# Altium PCB PCB_CONTROL.PcbDoc (part 2 of 2) (continued)
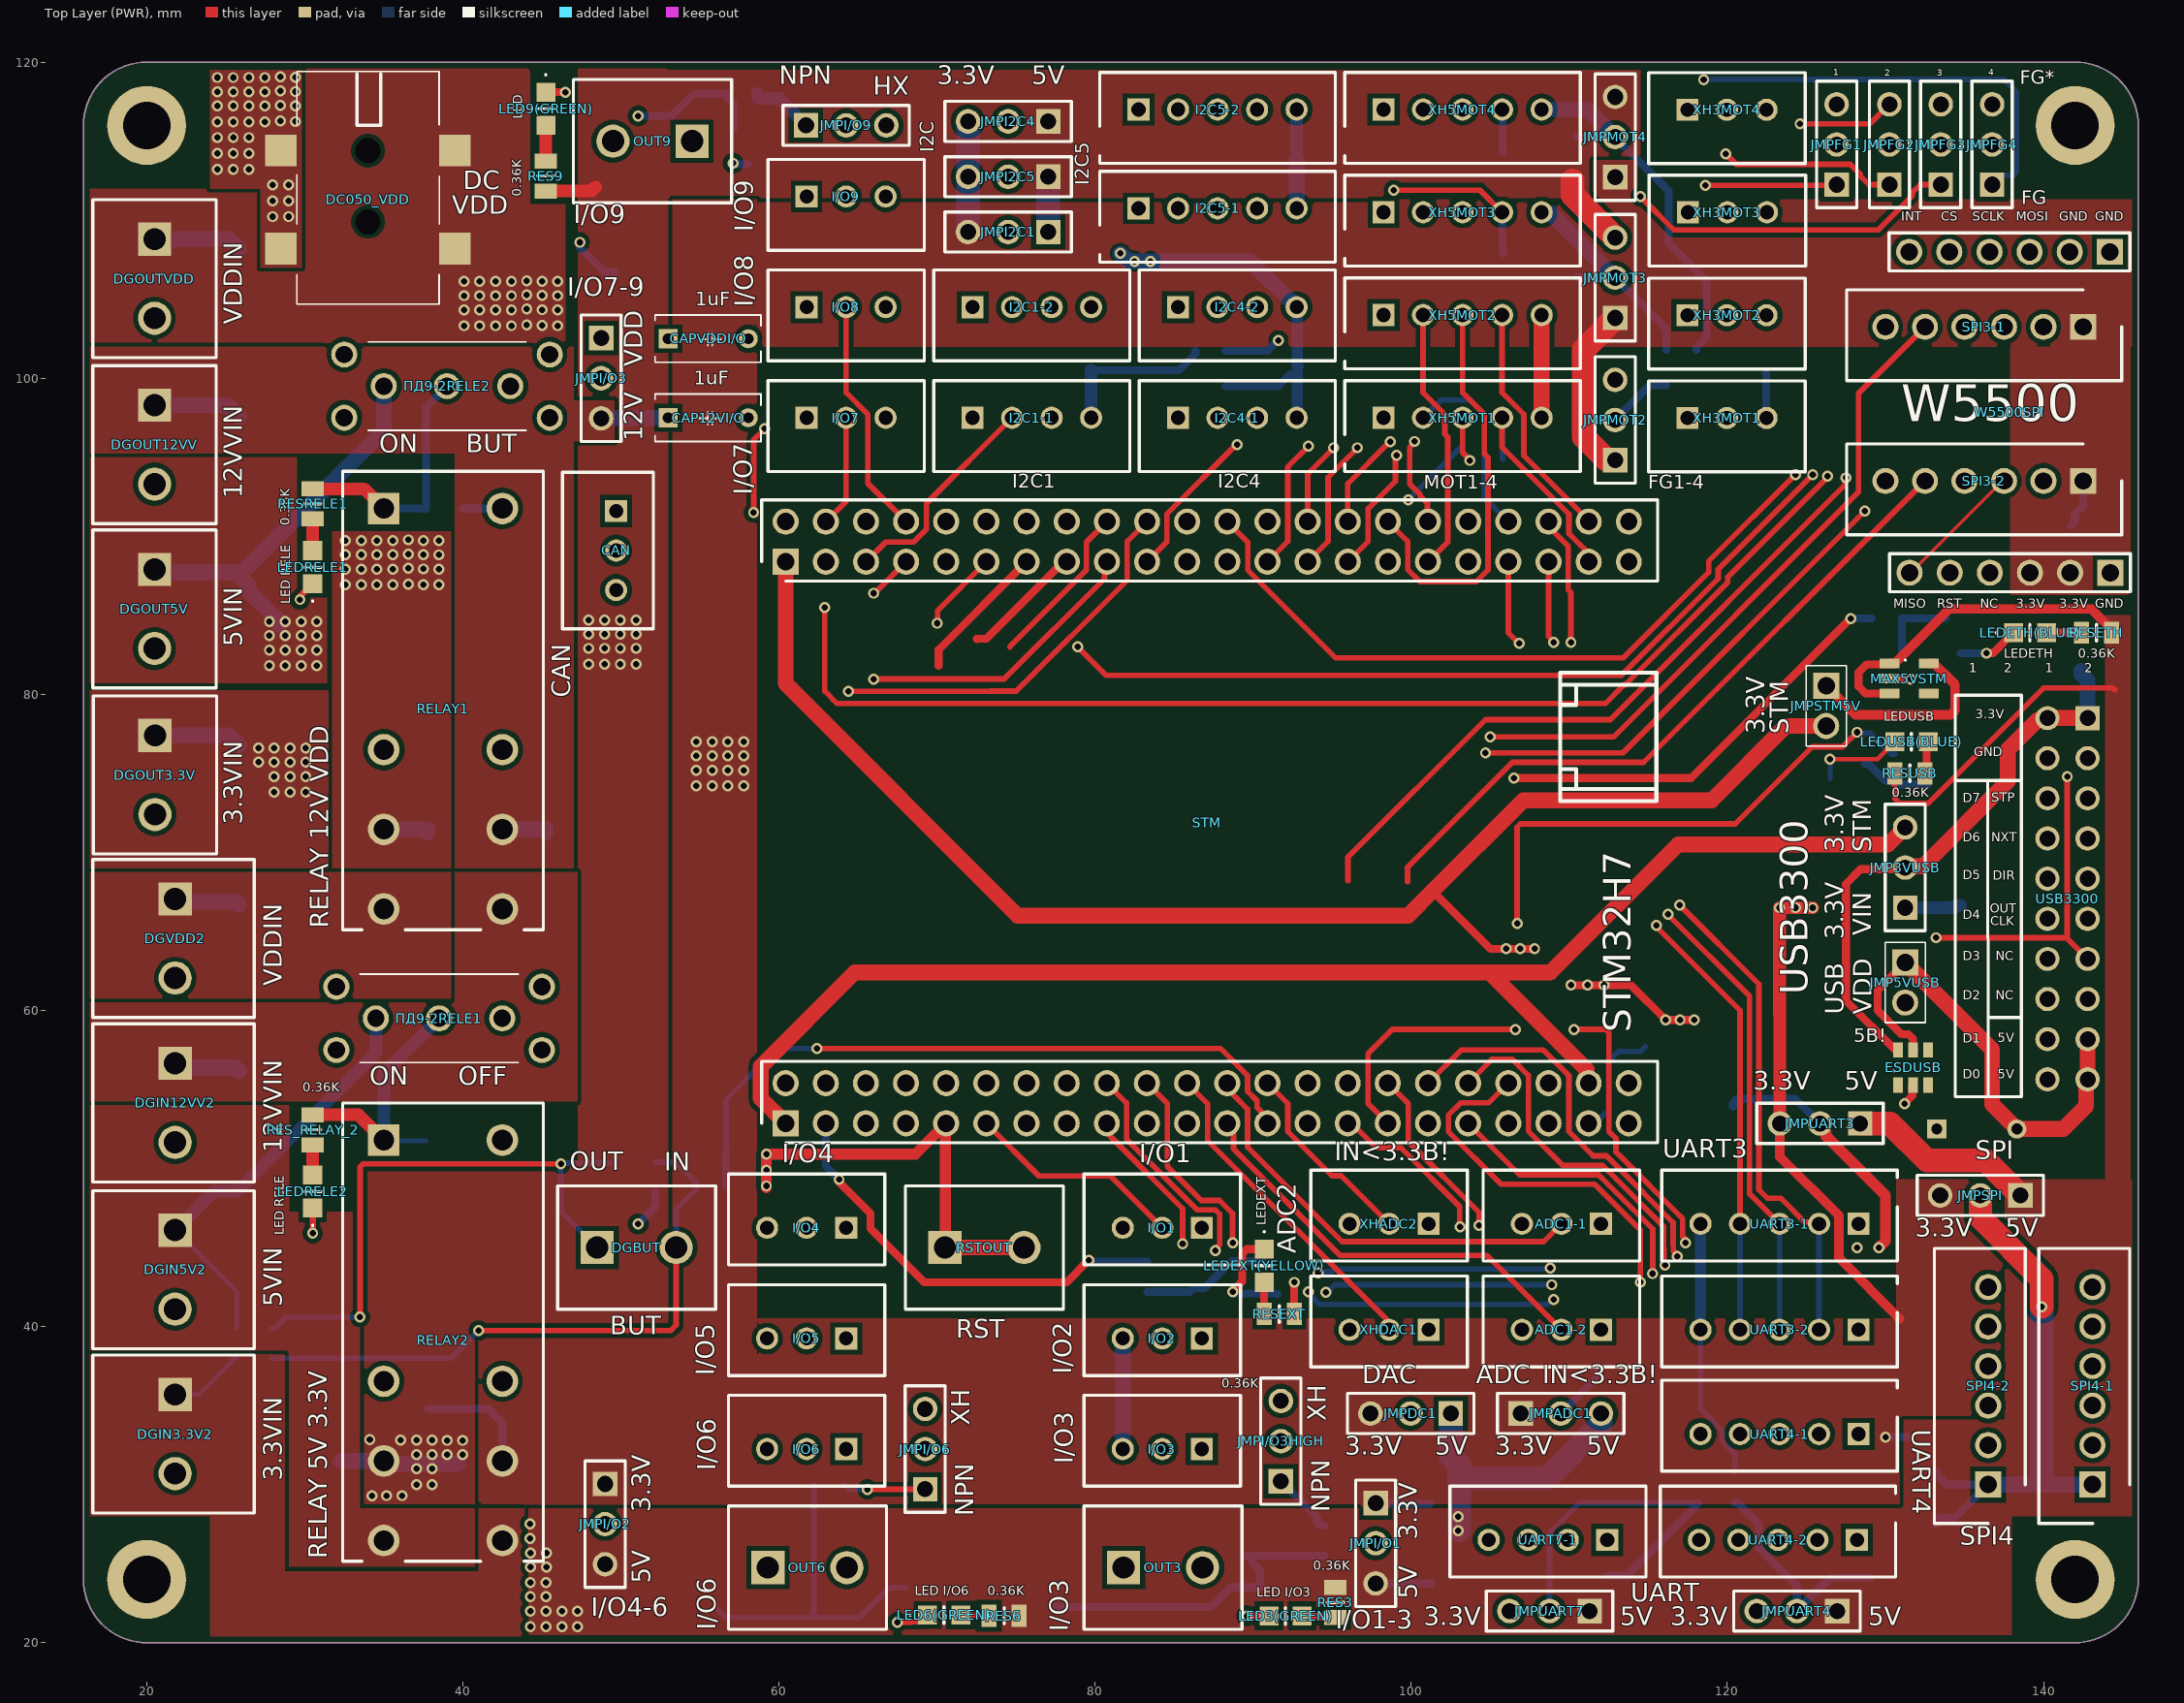
[diagram p0: Top Layer (PWR) view]
## Nets (pads, with @x,y where several pads share a name; then routed paths per layer and width w, separated by ;. In a path a pad name is that pad's centre, name@x,y a point inside that pad or via, vN(x,y) a via of type N, cw(c..) or ccw(c..) an arc to the next point about the centre after c; other vN are vias at no path point) (continued)
PA8: RESPWM3.2 STM.A8 XH5MOT3.4 | length 36.6
  Top Layer (PWR) w0.35: STM.A8@93.445,88.39 94.735,89.68 94.735,93.735 v1(96.6,95.6) ; v1(98.9,111.9) 104.35,111.9 XH5MOT3.4@105.75,110.5
  Layer 2 (SIGN) w0.35: v1(96.6,95.6) 96.6,110.851 97.649,111.9 v1(98.9,111.9)
  Bottom Layer (GND) w0.5: XH5MOT3.4@105.75,110.5 105.775,110.475 105.775,107.925 RESPWM3.2@105.8,107.9
PB2: JMPFG4.2 STM.B2 | length 81.9
  Top Layer (PWR) w0.35: 96,68.2 96,69.7 104.7,78.4 112.6,78.4 127.433,93.233 127.433,93.633 v1(127.5,93.7)
  Layer 2 (SIGN) w0.35: STM.B2@95.98,55.4 95.99,55.41 95.99,68.19 96,68.2 ; v1(127.5,93.7) 127.55,93.75 127.55,105.818 130.982,109.25 132.651,109.25 134.7,111.299 134.7,112.74 JMPFG4.2@136.75,114.79
PB3: SPI3-1.4 SPI3-2.4 STM.B3 W5500SPI.SCLK | length 106.2
  Layer 2 (SIGN) w0.2: STM.B3@73.125,90.93 73.33,90.93 74.917,92.517 76.383,92.517 76.95,91.95 76.95,87.35 77.6,86.7 104.853,86.7 104.97,86.817 104.97,91.417 107.203,93.65 120.75,93.65 125.5,88.9 129.517,88.9 131.753,91.136 134,91.136 135,92.136 SPI3-2.4@135,93.5 135,95.3 135,95.4 134.492,95.4 134.492,95.854 135.508,95.854 135.508,96.308 134.492,96.308 134.492,96.762 135.508,96.762 135.508,97.216 134.492,97.216 134.492,97.67 135.508,97.67 135.508,98.124 134.492,98.124 134.492,98.578 135.508,98.578 135.508,99.032 134.492,99.032 134.492,99.486 135.508,99.486 135.508,99.94 134.492,99.94 134.492,100.394 135.508,100.394 135.508,100.848 134.492,100.848 134.492,101.302 135,101.302 135,101.6 SPI3-1.4@135,103.25 136.58,104.83 W5500SPI.SCLK@136.58,108
PB4: SPI3-1.3 SPI3-2.3 STM.B4 W5500SPI.MISO | length 111.2
  Top Layer (PWR) w0.2: W5500SPI.MISO@131.525,87.7 131.612,87.7 137.412,93.5 SPI3-2.3@137.5,93.5
  Layer 2 (SIGN) w0.2: STM.B4@70.585,88.39 73.175,85.8 109.6,85.8 109.9,86.1 109.9,92.5 110.15,92.75 119.05,92.75 119.985,91.815 120.056,91.744 120.415,92.103 120.736,91.782 120.018,91.064 120.339,90.743 121.057,91.461 121.378,91.14 120.66,90.422 120.981,90.101 121.699,90.819 122.02,90.498 121.302,89.78 121.623,89.459 122.341,90.177 122.662,89.856 121.944,89.138 122.265,88.817 122.983,89.535 123.305,89.214 122.609,88.519 122.93,88.198 123.266,88.534 123.829,87.971 123.9,87.9 124.5,87.3 124.6,87.3 124.6,87.808 125.054,87.808 125.054,86.792 125.508,86.792 125.508,87.783 125.962,87.783 125.962,86.792 126.416,86.792 126.416,87.783 126.87,87.783 126.87,86.792 127.324,86.792 127.324,87.783 127.778,87.783 127.778,86.792 128.232,86.792 128.232,87.783 128.686,87.783 128.686,86.792 129.14,86.792 129.14,87.783 129.594,87.783 129.594,86.792 130.048,86.792 130.048,87.3 130.3,87.3 130.733,87.3 131.133,87.7 W5500SPI.MISO@131.525,87.7 ; SPI3-2.3@137.5,93.5 SPI3-1.3@137.5,103.25
PB8: I2C1-2.2 I2С1-1.2 STM.B8 | length 21
  Top Layer (PWR) w0.35: STM.B8@65.505,88.39 66.755,89.64 68.523,89.64 69.335,90.452 69.335,92.085 I2С1-1.2@74.75,97.5
  Layer 2 (SIGN) w0.35: I2С1-1.2@74.75,97.5 I2C1-2.2@74.75,104.5
PB9: I2C1-2.3 I2С1-1.3 STM.B9 | length 21.5
  Layer 2 (SIGN) w0.35: STM.B9@65.505,90.93 68.814,94.239 73.989,94.239 I2С1-1.3@77.25,97.5 I2C1-2.3@77.25,104.5
PB14: RESPWM2.2 STM.B14 XH5MOT1.4 | length 14
  Top Layer (PWR) w0.35: XH5MOT1.4@105.75,97.5 105.75,95.633 109.975,91.408 109.975,90.174 110.742,89.407 110.976,89.172 110.976,88.639 STM.B14@111.225,88.39
  Bottom Layer (GND) w0.35: XH5MOT1.4@105.75,97.5 105.775,97.475 105.775,94.925 RESPWM2.2@105.8,94.9
PC0: STM.C0 USB3300.STP | length 108
  Layer 2 (SIGN) w0.2: STM.C0@73.12,55.4 74.4,54.12 74.4,51.2 78.05,47.55 129.145,47.55 131.395,45.3 144.2,45.3 145.5,46.6 145.5,72.8 144.88,73.42 USB3300.STP@142.79,73.42
PC5: BUTIN1.1 BUTIN2.1 STM.C5 | length 44
  Top Layer (PWR) w0.35: v1(62.4,57.6) 87.928,57.6 89.65,55.878 89.65,54.882 90.25,54.282 90.25,53.862 90.9,53.212 STM.C5@90.9,52.86
  Bottom Layer (GND) w0.35: BUTIN2.1@56.65,51.087 56.65,54.35 59.887,57.587 62.387,57.587 v1(62.4,57.6)
  Bottom Layer (GND) w0.5: BUTIN1.1@56.65,48.9 BUTIN2.1@56.65,51.087
PC10: I2C5-1.3 I2C5-2.3 STM.C10 | length 29.8
  Layer 2 (SIGN) w0.35: STM.C10@85.825,88.39 87.075,89.64 87.075,96.584 86.625,97.034 86.625,104.966 87.75,106.091 I2C5-1.3@87.75,110.75 I2C5-2.3@87.75,117
PC11: I2C5-1.2 I2C5-2.2 STM.C11 | length 27.2
  Layer 2 (SIGN) w0.35: I2C5-2.2@85.25,117 I2C5-1.2@85.25,110.75 85.25,106.501 84.125,105.376 84.125,92.63 STM.C11@85.825,90.93
PC12: I2C5-1.4 I2C5-2.4 STM.C12 | length 31.5
  Top Layer (PWR) w0.35: STM.C12@83.285,88.39 84.535,89.64 84.535,91.408 88.927,95.8 v1(89,95.8)
  Layer 2 (SIGN) w0.35: v1(89,95.8) 89,104.841 90.25,106.091 I2C5-1.4@90.25,110.75 I2C5-2.4@90.25,117
PD0: CAN.1 STM.D0 | length 48
  Top Layer (PWR) w0.35: v1(64.4,80.194) 64.401,80.193 73.396,80.193 73.405,80.201 75.001,80.201 82.035,87.235 82.035,89.68 STM.D0@83.285,90.93
  Layer 2 (SIGN) w0.35: CAN.1@49.7,91.6 48.575,90.475 48.575,88.634 49.234,87.975 50.475,87.975 51,88.5 55.2,88.5 63.506,80.194 v1(64.4,80.194)
PD1: CAN.2 STM.D1 | length 38
  Top Layer (PWR) w0.35: v1(66,80.968) 74.242,80.968 80.6,87.326 80.6,88.245 STM.D1@80.745,88.39
  Layer 2 (SIGN) w0.35: CAN.2@49.7,89.1 55.6,89.1 63.731,80.969 65.999,80.969 v1(66,80.968)
PD4: STM.D4 W5500SPI.INT | length 109
  Top Layer (PWR) w0.35: v1(104.7,76.3) 113.4,76.3 v1@128.676,91.576
  Layer 2 (SIGN) w0.2: v1(128.7,91.6) 129.762,91.6 131.223,93.061 131.223,107.723 W5500SPI.INT@131.5,108
  Layer 2 (SIGN) w0.35: STM.D4@78.205,90.93 78.205,92.595 77.4,93.4 71.287,93.4 69.335,91.448 69.335,90.452 68.563,89.68 67.567,89.68 66.795,88.908 66.795,86.305 76.8,76.3 v1(104.7,76.3)
PD5: MAXBUT.3 STM.D5 | length 54.5
  Top Layer (PWR) w0.5: 70.1,81.8 70.1,82.825 STM.D5@75.665,88.39
  Layer 2 (SIGN) w0.5: v1(51.1,46.5) 57.75,53.15 57.75,69.45 70.1,81.8
  Bottom Layer (GND) w0.5: v1(51.1,46.5) 52.175,47.575 MAXBUT.3@52.175,48.5
PD6: SPI3-1.2 SPI3-2.2 STM.D6 W5500SPI.MOSI | length 107.7
  Layer 2 (SIGN) w0.2: STM.D6@75.665,90.93 74.4,89.665 74.4,87 75.15,86.25 107.2,86.25 107.4,86.45 107.4,92 108.6,93.2 120.4,93.2 125.2,88.4 129.85,88.4 132.136,90.686 137.186,90.686 SPI3-2.2@140,93.5 140,95.8 140,95.9 139.492,95.9 139.492,96.354 140.508,96.354 140.508,96.808 139.492,96.808 139.492,97.262 140.508,97.262 140.508,97.716 139.492,97.716 139.492,98.17 140.508,98.17 140.508,98.624 139.492,98.624 139.492,99.078 140.508,99.078 140.508,99.532 139.492,99.532 139.492,99.986 140.508,99.986 140.508,100.44 139.492,100.44 139.492,100.894 140.508,100.894 140.508,101.348 140,101.348 140,101.6 SPI3-1.2@140,103.25 139.12,104.13 W5500SPI.MOSI@139.12,108
PD7: SPI3-1.5 STM.D7 W5500SPI.CS | length 90.5
  Top Layer (PWR) w0.35: v1(70,84.5) 70.035,84.535 70.035,85.3 STM.D7@73.125,88.39 ; v1(105,77.3) 112.8,77.3 128.3,92.8 128.3,99.05 SPI3-1.5@132.5,103.25
  Layer 2 (SIGN) w0.2: SPI3-1.5@132.5,103.25 134.04,104.79 W5500SPI.CS@134.04,108
  Layer 2 (SIGN) w0.35: v1(70,84.5) 77.2,77.3 v1(105,77.3)
PD12: I2C4-1.2 I2C4-2.2 STM.D12 | length 29.5
  Layer 2 (SIGN) w0.35: I2C4-2.2@87.75,104.5 I2C4-1.2@87.75,97.5 87.75,95.66 89.957,93.453 101.547,93.453 102.315,92.685 102.315,89.68 STM.D12@103.605,88.39
PD13: I2C4-1.3 I2C4-2.3 STM.D13 | length 24.1
  Layer 2 (SIGN) w0.35: I2C4-2.3@90.25,104.5 I2C4-1.3@90.25,97.5 93.404,94.346 101.954,94.346 103.605,92.695 STM.D13@103.605,90.93
PE0: JMPFG3.2 STM.E0 | length 103
  Top Layer (PWR) w0.35: v1(62.9,85.5) 62.9,80.2 63.681,79.419 112.273,79.419 113.454,80.6 113.538,80.6 120.017,87.078 120.017,87.42 126.346,93.75 v1(126.346,93.81)
  Layer 2 (SIGN) w0.35: v1(62.9,85.5) 62.933,85.533 62.933,88.357 STM.E0@62.965,88.39 ; v1(126.346,93.81) 126.346,93.839 126.95,94.443 126.95,108.24 129.76,111.05 131.201,111.05 131.45,111.299 131.45,112.74 JMPFG3.2@133.5,114.79
PE10: SPI4-2.5 STM.E10 | length 46.7
  Top Layer (PWR) w0.35: STM.E10@101.06,55.4 103.16,57.5 108.348,57.5 109.97,55.878 109.97,52.342 111.509,50.803 112.349,50.803 112.524,50.627 112.7,50.451 112.876,50.276 116.575,46.576 116.575,45.197 116.583,45.189 116.583,44.778 116.84,44.521 v1(116.84,44.427)
  Layer 2 (SIGN) w0.35: v1(116.84,44.427) 117.867,43.4 133.1,43.4 SPI4-2.5@136.5,40
PE11: SPI3-2.5 STM.E11 | length 59.6
  Top Layer (PWR) w0.35: 99.767,68.133 99.767,69.063 106.404,75.7 114.7,75.7 SPI3-2.5@132.5,93.5
  Layer 2 (SIGN) w0.35: 99.767,68.133 99.767,67.886 99.77,67.883 99.77,54.15 STM.E11@101.06,52.86
PE12: SPI4-1.4 SPI4-2.4 STM.E12 | length 51.6
  Top Layer (PWR) w0.35: STM.E12@103.6,55.4 105.1,56.9 106.408,56.9 107.41,55.898 107.41,52.362 109.569,50.203 112.1,50.203 112.276,50.027 112.451,49.851 115.975,46.328 115.975,44.949 115.983,44.941 115.983,43.966 v1(116.05,43.899)
  Layer 2 (SIGN) w0.35: v1(116.05,43.899) 116.05,43.85 117.1,42.8 131.2,42.8 SPI4-2.4@136.5,37.5 SPI4-1.4@143.1,37.5
PE14: SPI4-1.2 SPI4-2.2 STM.E14 | length 57.2
  Top Layer (PWR) w0.35: STM.E14@106.14,55.4 104.89,54.15 103.122,54.15 102.35,53.378 102.35,52.342 105.689,49.003 111.603,49.003 114.5,46.106 v1(114.5,42.8)
  Layer 2 (SIGN) w0.35: v1(114.5,42.8) 115.7,41.6 128.501,41.6 129.425,40.676 129.425,39.575 SPI4-2.2@136.5,32.5 SPI4-1.2@143.1,32.5
PE15: RESG1.1 STM.E15 | length 47.3
  Top Layer (PWR) w0.35: v1(106.7,65.5) 106.7,71.595 106.905,71.8 120.5,71.8 125.375,76.675 127.275,76.675 v1(128.2,77.6)
  Layer 2 (SIGN) w0.35: STM.E15@106.14,52.86 104.89,54.11 104.89,64.19 106.181,65.481 106.681,65.481 v1(106.7,65.5)
  Bottom Layer (GND) w0.35: v1(128.2,77.6) 128.267,77.533 129.042,77.533 130.375,76.2 RESG1.1@130.6,76.2
PWM2: RESPWM1.2 STM.B15 XH5MOT2.4 | length 18
  Top Layer (PWR) w0.35: XH5MOT2.4@105.75,104 105.75,99.091 107.125,97.716 107.125,95.106 111.225,91.006 STM.B15@111.225,90.93
  Bottom Layer (GND) w0.35: RESPWM1.2@105.7,101.4 105.725,101.425 105.725,103.975 XH5MOT2.4@105.75,104
PWM4: RESPWM4.2 STM.A9 XH5MOT4.4 | length 37.6
  Top Layer (PWR) w0.35: STM.A9@93.445,90.93 93.445,93.945 v1(95.1,95.6)
  Layer 2 (SIGN) w0.35: v1(95.1,95.6) 96,96.5 96,111.341 100.534,115.875 101.216,115.875 101.875,116.534 101.875,117.216 102.784,118.125 104.625,118.125 XH5MOT4.4@105.75,117
  Bottom Layer (GND) w0.5: XH5MOT4.4@105.75,117 105.775,116.975 105.775,114.325 RESPWM4.2@105.8,114.3
RST: RSTOUT.1 RSTOUT.2 STM.NR USB3300.RST W5500SPI.RST | length 154.4
  Top Layer (PWR) w0.35: v1(133.2,64.6) 141.45,64.6 USB3300.RST@142.79,63.26 ; 141.5,64.55 v1(141.5,74.8)
  Top Layer (PWR) w0.7: v1@59.2,48.8 v1(59.2,50.9) 68.62,50.9 70.54,52.82 RSTOUT.1@70.54,45.04
  Top Layer (PWR) w1: RSTOUT.1@70.54,45.04 RSTOUT.1@70.5,45 RSTOUT.2@75.5,45 ; STM.NR@70.54,52.82 STM.NR@70.58,52.86
  Layer 2 (SIGN) w0.35: v1(59.2,48.9) v1(59.2,50.9) 58.6,51.5 58.6,57.2 71.7,70.3 103.711,70.3 109.411,64.6 v1(133.2,64.6) ; W5500SPI.RST@134.065,87.7 141.5,80.265 v1(141.5,74.8)
  other v1: 59.2,49.9
VDDI/O: CAPVDDI/O.1 CAPVDDIN.2 DC050_VDD.1 DGOUTVDD.1 ESDOUTVDD.1 ESDPLUG_VDD.1 JMPI/O3.1 RELAY1.A1 | length 8.9
  Bottom Layer (GND) w1: DGOUTVDD.1@20.7,108.6 DGOUTVDD.1@20.5,108.8 25.212,108.8 25.837,108.175 ESDOUTVDD.1@25.837,108.15 ; RELAY1.A1@35,71.46 37.735,71.46 37.75,71.445 CAPVDDIN.2@37.75,71.25
  other v1: 32.571,86.926 33.571,86.926 34.571,86.926 35.571,86.926 38.495,86.925 37.512,86.936 36.55,86.975 32.571,87.926 33.571,87.926 34.571,87.926 35.571,87.926 37.512,87.936 38.495,87.925 36.55,87.975 32.571,88.826 33.571,88.826 34.571,88.826 35.571,88.826 37.512,88.836 38.495,88.825 36.55,88.875 38.495,89.725 32.571,89.726 33.571,89.726 34.571,89.726 35.571,89.726 37.512,89.736 36.55,89.775 40.071,103.326 41.071,103.326 42.071,103.326 43.071,103.326 45.012,103.336 45.995,103.325 44.05,103.375 40.071,104.326 41.071,104.326 42.071,104.326 43.071,104.326 45.995,104.325 45.012,104.336 44.05,104.375 40.071,105.226 41.071,105.226 42.071,105.226 43.071,105.226 45.012,105.236 45.995,105.225 44.05,105.275 40.071,106.126 41.071,106.126 42.071,106.126 43.071,106.126 45.995,106.125 45.012,106.136 44.05,106.175
VDDSTM: CAPSTM5V.2 JMP5VUSB.2 JMPSTM5V.2 STM.5V | length 140
  Top Layer (PWR) w0.5: 101.348,67.552 105,63.9 v1(106,63.9) v1(106.9,63.9) v1(107.8,63.9) ; v1(110.1,61.6) v1(111.15,61.6) v1(112.2,61.6) 113.9,61.6 v1(116.1,59.4) v1(117,59.4) v1(117.9,59.4)
  Top Layer (PWR) w1: STM.5V@60.425,88.39 60.425,80.675 75.1,66 99.797,66 101.348,67.552 107.097,73.3 119,73.3 123.7,78 JMPSTM5V.2@126.25,78
  Layer 2 (SIGN) w0.35: STM.5V@111.22,52.86 112.47,54.11 112.47,55.878 v1@115.992,59.4
  Layer 2 (SIGN) w0.5: v1(106,63.9) v1(106.9,63.9) v1(107.8,63.9) v1(110.1,61.6) v1(111.15,61.6) v1(112.2,61.6) ; v1@115.992,59.4 v1(116.1,59.4) v1(117,59.4) v1(117.9,59.4) 128.7,59.4 129.8,60.5 JMP5VUSB.2@131.25,60.5
  Bottom Layer (GND) w0.35: STM.5V@111.22,52.86 111.572,52.86 111.956,53.245 112.045,53.245 112.47,53.67 112.47,56.77 113.103,57.403 114.503,57.403 CAPSTM5V.2@114.8,57.7
pads on no net: DC050_VDD.0 ESDI2C.3 ESDI2C.5 ESDUSB.1 ESDUSB.3 ESDUSB.4 MAX5VSTM.4 MAXBUT.4 MS9.3 NUPIN.5 NUPMOT.4 NUPMOT.5 NUPSPI.3 NUPSPI.5 NUPSPI.6 NUPUART.3 NUPUART.5 RELAY1.A2 RELAY1.B2 RELAY2.A2 RELAY2.B2 STM.A11 STM.A12 STM.V+ STM.VB USB3300.NC W5500SPI.NC ПД9-2RELE1.0 ПД9-2RELE1.2 ПД9-2RELE2.0

## Polygon pours and split planes (outlines as drawn)
5VADC on Top Layer (PWR) "5VADC_L01_P044" (solid, pour order 44): 131,28 131,34.1 137.548,34.1 137.548,49.3 146,49.3 146,28
3.3VIN on Top Layer (PWR) "3.3VIN_L01_P048" (solid, pour order 48): 58.6,111.3 146,111.3 146,102 58.6,102
5VADC on Top Layer (PWR) "5VADC_L01_P047" (solid, pour order 47): 51.7,119.5 114.5,119.5 114.5,111.4 51.7,111.4
5VADC on Top Layer (PWR) "5VADC_L01_P039" (solid, remove dead copper, pour order 39): 44.128,28.458 44.17,28.5 138,28.5 138,20.5 44.2,20.5
VDDI/O on Top Layer (PWR) "VDDI/O_L01_P028" (solid, remove dead copper, pour order 28): 46.5,102.25 46.5,120 24,120 24,112 16,112 16,102.25
3.3VIN on Top Layer (PWR) "3.3VIN_L01_P013" (solid, remove dead copper, pour order 13): 41,28.75 41,39.75 53.2,39.75 53.2,111.3 58.6,111.3 58.6,28.75
5VADC on Top Layer (PWR) "5VADC_L01_P052" (solid, pour order 52): 145.49,49.3 145.5,49.31 145.5,85 143.9,85 143.9,49.3
3.3VIN on Top Layer (PWR) "3.3VIN_L01_P051" (solid, pour order 51): 137.9,102 145.49,102 145.49,86.3 137.9,86.3
3.3VIN on Top Layer (PWR) "3.3VIN_L01_P001" (solid, pour order 1): 111.5,113.8 114.3,113.8 114.3,110.7 111.5,110.7
12VI/O on Top Layer (PWR) "12VI/O_L01_P000" (solid, pour order 0): 49.6,98.6 46.6,98.6 46.6,96 49.6,96
GND on Top Layer (PWR) "GND_L01_P002" (solid, pour order 2): 27.2,107 27.2,112 24,112 24,119.5 29.8,119.5 29.8,107
3.3VIN on Top Layer (PWR) "3.3VIN_L01_P046" (solid, pour order 46): 130.7,34.3 130.7,49.3 137.4,49.3 137.4,34.3
3.3VIN on Top Layer (PWR) "3.3VIN_L01_P040" (solid, remove dead copper, pour order 40): 58.6,28.75 58.6,40.5 130.9,40.5 130.9,28.314
5VADC on Top Layer (PWR) "5VADC_L01_P008" (solid, remove dead copper, pour order 8): 33.5,28.76 33.5,50.5 47.3,50.5 47.3,120 53,120 53,40 40.75,40 40.75,28.734
NetDGVDD2_1 on Top Layer (PWR) "NETDGVDD2_1_L01_P007" (solid, remove dead copper, pour order 7): 16,68.75 39.25,68.75 39.25,60.75 16,60.75
NetDGIN12VV2_1 on Top Layer (PWR) "NETDGIN12VV2_1_L01_P005" (solid, remove dead copper, pour order 5): 16,54.25 47.25,54.25 47.25,68.75 39.5,68.75 39.5,60.5 16,60.5
12VI/O on Top Layer (PWR) "12VI/O_L01_P033" (solid, pour order 33): 46.5,102.5 46.5,120 46.5,95.25 39.5,95.25 39.5,102.25
12VI/O on Top Layer (PWR) "12VI/O_L01_P017" (solid, remove dead copper, pour order 17): 39.5,69 47,69 47,102 16,102 16,95.25 39.5,95.25
5VADC on Top Layer (PWR) "5VADC_L01_P038" (solid, remove dead copper, pour order 38): 31.4,80.7 31.4,86.1 29.5,86.1 29.5,95.1 16.15,95.1 16,95.25 16,80.7
3.3VIN on Top Layer (PWR) "3.3VIN_L01_P035" (solid, remove dead copper, pour order 35): 16,80.25 31.5,80.25 31.5,69 16,69
VDDI/O on Top Layer (PWR) "VDDI/O_L01_P019" (solid, remove dead copper, pour order 19): 39.25,69 39.242,69.008 39.242,90.322 31.75,90.322 31.75,69
NetDGIN5V2_1 on Top Layer (PWR) "NETDGIN5V2_1_L01_P006" (solid, remove dead copper, pour order 6): 29,47 29,54 16,54 16,47
NetDGIN3.3V2_1 on Top Layer (PWR) "NETDGIN3.3V2_1_L01_P003" (solid, remove dead copper, pour order 3): 16,38.25 28.75,38.25 28.75,24.5 41,24.5 41,28.5 43.9,28.5 43.9,20 24,20 24,28 16,28
NetDGIN5V2_1 on Top Layer (PWR) "NETDGIN5V2_1_L01_P004" (solid, remove dead copper, pour order 4): 16,47.25 33.5,47.25 33.5,28.5 40.75,28.5 40.75,24.8 28.75,24.8 28.75,38.25 16,38.25
GND on Bottom Layer (GND) "GND_L04_P043" (solid, remove dead copper, pour order 43): 16,120 146,120 146,20 16,20
NetMS9_2 on Bottom Layer (GND) "NETMS9_2_L04_P012" (solid, pour order 12): 56.539,117 51.2,117 51.2,112.8 52.1,112.8 52.1,105.3 60.8,105.3 60.8,112.6 56.5,112.6
VDDI/O on Bottom Layer (GND) "VDDI/O_L04_P011" (solid, pour order 11): 46.9,101.1 55.1,101.1 55.1,104.9 54.8,105.2 46.9,105.2
NetMS6_2 on Bottom Layer (GND) "NETMS6_2_L04_P029" (solid, remove dead copper, pour order 29): 50.6,24.5 50.6,33.25 58,33.25 58,31.25 61.25,31.25 61.25,22.5 57.5,22.5 57.5,24.5
5VADC on Bottom Layer (GND) "5VADC_L04_P018" (solid, remove dead copper, pour order 18): 33.515,33.3 40.9,33.3 40.9,28 44.9,28 44.9,26.3 46.6,26.3 46.6,23 47.8,23 47.8,20.5 33.613,20.5
VDDI/O on Bottom Layer (GND) "VDDI/O_L04_P020" (solid, remove dead copper, pour order 20): 31.75,90.2 39.5,90.2 39.5,106.75 47,106.75 47,86.4 31.75,86.4
NetMS1_2 on Bottom Layer (GND) "NETMS1_2_L04_P041" (solid, remove dead copper, pour order 41): 71.9,24.5 71.9,32.9 80.6,32.9 80.6,28.2 83.5,28.2 83.5,21.9 79.5,21.9 79.5,24.5
5VADC on Bottom Layer (GND) "5VADC_L04_P027" (solid, remove dead copper, pour order 27): 27.25,81.25 51.6,81.25 51.6,85.25 27.25,85.25
3.3VIN on Bottom Layer (GND) "3.3VIN_L04_P024" (solid, remove dead copper, pour order 24): 24.5,78.5 58.5,78.5 58.5,72.75 27.5,72.75 27.5,75.25 24.5,75.25
VDDI/O on Bottom Layer (GND) "VDDI/O_L04_P023" (solid, remove dead copper, pour order 23): 35,103.7 39.7,103.7 39.7,105.8 35,105.8
GND on Layer 1 (GND) "GND_L02_P026" (solid, remove dead copper, pour order 26): 16,120 146,120 146,20 16,20

## Keep-outs
Keep-Out Layer:
  lines w0.1: 141.979,19.999 ccw(c141.989,24.01) 146,24 146,116 ccw(c141.999,116.001) 142,120.002 ; 142,20 20,20 cw(c20,24) 16,24 16,116 cw(c20,116) 20,120 142,120

## Other copper
Top Layer (PWR):
  pour cut-out: 44.25,119.75 46.5,119.75 46.5,111 44.325,111 44.25,111.075
  pour cut-out: 16,20 24,20 24,28 16,28
  pour cut-out: 138,112 146,112 146,120 138,120
  pour cut-out: 138,20 146,20 146,28 138,28
  pour cut-out: 16,112 24,112 24,120 16,120
Layer 1 (GND):
  pour cut-out: 138,28 138,20 146,20 146,28
  pour cut-out: 16,120 16,112 24,112 24,120
Layer 2 (SIGN):
  pour cut-out: 138,120 146,120 146,112 138,112
  pour cut-out: 138,28 146,28 146,20 138,20
  pour cut-out: 16,28 24,28 24,20 16,20
  pour cut-out: 16,120 24,120 24,112 16,112
Bottom Layer (GND):
  pour cut-out: 138,28 146,28 146,20 138,20
  pour cut-out: 16,120 24,120 24,112 16,112

## Silkscreen, mask and mechanical layers (free items; w line width, h text height)
Top Overlay:
  lines w0.2: 134.464,74.549 136.464,74.549 ; 136.505,54.546 136.464,74.549 ; 136.564,59.549 138.564,59.549 ; 138.464,74.549 136.464,74.549 ; 134.409,54.546 134.409,79.946 138.6,79.946 138.6,54.546 134.409,54.546
  text "XH" at 68.25,119.5 h2 r180
  text "1" at 126.7,119 h0.7
  text "3" at 133.252,118.988 h0.7
  text "4" at 136.5,119 h0.7
  text "2" at 129.952,118.98 h0.7
  text "FG*" at 138.5,118.3 h1.5
  text "NPN" at 60,118.2 h2
  text "3.3V" at 70,118.2 h2
  text "5V" at 76,118.2 h2
  text "LED" at 43.971,116.411 h1 r90
  text "I2C" at 70.1,114.3 h1.5 r90
  text "I2C5" at 79.9,112.2 h1.5 r90
  text "DC" at 40.011,111.547 h2
  text "0.36K" at 43.9,111.5 h1 r90
  text "FG" at 138.6,110.7 h1.5
  text "VDD" at 39.3,110 h2
  text "I/O9" at 47,109.4 h2
  text "I/O9" at 58.75,109.25 h2 r90
  text "I/O7-9" at 46.6,104.8 h2
  text "I/O8" at 58.75,104.5 h2 r90
  text "1uF" at 54.7,104.3 h1.5
  text "VDDIN" at 26.443,103.4 h2 r90
  text "VDD" at 51.75,100.75 h2 r90
  text "1uF" at 54.6,99.3 h1.5
  text "W5500" at 131,96.5 h4
  text "12V" at 51.75,96 h2 r90
  text "ON" at 34.7,94.9 h2
  text "BUT" at 40.2,94.9 h2
  text "I2C1" at 74.75,92.75 h1.5
  text "I2C4" at 87.75,92.75 h1.5
  text "MOT1-4" at 100.8,92.7 h1.5
  text "FG1-4" at 115,92.7 h1.5
  text "I/O7" at 58.7,92.6 h2 r90
  text "12VVIN" at 26.45,92.4 h2 r90
  text "0.36K" at 29.268,90.689 h1 r90
  text "LED RELE" at 29.3,85.7 h1 r90
  text "5VIN" at 26.443,83 h2 r90
  text "LEDETH" at 137.5,82.1 h1
  text "0.36K" at 142.2,82.1 h1
  text "1" at 135.29,81.16 h1
  text "2" at 137.49,81.16 h1
  text "1" at 140.09,81.16 h1
  text "2" at 142.59,81.16 h1
  text "CAN" at 47.2,79.8 h2 r90
  text "3.3V" at 135.69,78.272 h1
  text "LEDUSB" at 129.9,78.1 h1
  text "3.3V" at 122.75,77.5 h2 r90
  text "STM" at 124.25,77.5 h2 r90
  text "GND" at 135.59,75.872 h1
  text "0.36K" at 130.4,73.3 h1
  text "STP" at 136.69,72.972 h1
  text "D7" at 134.89,72.96 h1
  text "3.3VIN" at 26.45,71.75 h2 r90
  text "D6" at 134.89,70.472 h1
  text "NXT" at 136.69,70.46 h1
  text "3.3V" at 127.75,70 h2 r90
  text "STM" at 129.5,70 h2 r90
  text "D5" at 134.89,68.072 h1
  text "DIR" at 136.79,68.06 h1
  text "OUT" at 136.615,65.972 h1
  text "D4" at 134.89,65.56 h1
  text "RELAY 12V VDD" at 31.9,65.2 h2 r90
  text "CLK" at 136.64,65.171 h1
  text "VIN" at 129.5,64.75 h2 r90
  text "3.3V" at 127.75,64.5 h2 r90
  text "D3" at 134.89,62.972 h1
  text "NC" at 136.99,62.971 h1
  text "VDDIN" at 28.943,61.55 h2 r90
  text "USB3300" at 125.65,61 h3 r90
  text "NC" at 136.99,60.471 h1
  text "D2" at 134.89,60.46 h1
  text "USB" at 127.75,59.75 h2 r90
  text "VDD" at 129.524,59.75 h2 r90
  text "D1" at 134.89,57.76 h1
  text "5V" at 137.09,57.772 h1
  text "5В!" at 128,57.7 h1.5
  text "D0" at 134.89,55.472 h1
  text "5V" at 137.09,55.472 h1
  text "ON" at 34.1,54.9 h2
  text "OFF" at 39.7,54.9 h2
  text "0.36K" at 29.867,54.659 h1
  text "3.3V" at 121.65,54.6 h2
  text "5V" at 127.4,54.6 h2
  text "12VVIN" at 28.95,51 h2 r90
  text "UART3" at 115.9,50.3 h2
  text "SPI" at 135.7,50.2 h2
  text "IN<3.3В!" at 95.137,50.1 h2
  text "I/O4" at 60.2,50 h2
  text "I/O1" at 82.8,50 h2
  text "OUT" at 46.75,49.5 h2
  text "IN" at 52.75,49.476 h2
  text "LEDEXT" at 91,46.4 h1 r90
  text "LED RELE" at 28.9,45.8 h1 r90
  text "3.3V" at 131.9,45.3 h2
  text "5V" at 137.6,45.3 h2
  text "ADC2" at 93.1,44.608 h2 r90
  text "5VIN" at 28.943,41.25 h2 r90
  text "BUT" at 49.3,39.1 h2
  text "RST" at 71.2,38.9 h2
  text "I/O2" at 78.9,37 h2 r90
  text "I/O5" at 56.3,36.9 h2 r90
  text "DAC" at 96.9,36 h2
  text "ADC" at 104.1,36 h2
  text "IN<3.3В!" at 108.3,36 h2
  text "0.36K" at 88,35.9 h1
  text "XH" at 95,34 h2 r90
  text "XH" at 72.469,33.748 h2 r90
  text "UART4" at 131.3,33.5 h2 r270
  text "3.3V" at 95.8,31.5 h2
  text "5V" at 101.5,31.5 h2
  text "3.3V" at 105.3,31.5 h2
  text "5V" at 111.1,31.5 h2
  text "I/O3" at 79,31.3 h2 r90
  text "I/O6" at 56.4,30.9 h2 r90
  text "3.3VIN" at 28.95,30.25 h2 r90
  text "3.3V" at 52.25,28.25 h2 r90
  text "NPN" at 95.25,28.25 h2 r90
  text "NPN" at 72.719,27.998 h2 r90
  text "3.3V" at 100.75,26.5 h2 r90
  text "SPI4" at 134.7,25.8 h2
  text "RELAY 5V 3.3V" at 31.8,25.3 h2 r90
  text "0.36K" at 93.8,24.4 h1
  text "5V" at 52.25,23.75 h2 r90
  text "LED I/O6" at 68.6,22.8 h1
  text "0.36K" at 73.2,22.8 h1
  text "5V" at 100.75,22.75 h2 r90
  text "LED I/O3" at 90.2,22.7 h1
  text "UART" at 113.9,22.2 h2
  text "I/O4-6" at 48.1,21.3 h2
  text "I/O6" at 56.4,20.8 h2 r90
  text "I/O3" at 78.7,20.7 h2 r90
  text "3.3V" at 100.8,20.7 h2
  text "5V" at 113.2,20.707 h2
  text "3.3V" at 116.4,20.7 h2
  text "5V" at 128.9,20.707 h2
  text "I/O1-3" at 95.2,20.5 h2
Bottom Overlay:
  region: 76.66,57.104 76.66,57.026 76.634,57.026 76.634,57.052 76.608,57.052 76.608,57.104 76.634,57.104
  region: 76.4,57.078 76.4,57.104 76.504,57.104 76.504,57.078 76.426,57.078
  region: 76.869,57 76.817,57 76.817,57.052 76.895,57.052 76.895,57
  text "0.2K" at 61.6,117.8 h1
  text "20K" at 51.4,117.6 h1
  text "100nF" at 111.8,116.3 h1
  text "100nF" at 93,114.75 h1
  text "MSI/O9" at 66.5,113.5 h2
  text "100K" at 107.7,112.5 h1
  text "30В!" at 27.5,109.919 h1.5
  text "100nF" at 111.8,107.4 h1
  text "100K" at 107.7,106 h1
  text "MI/O9" at 58.75,103.75 h2
  text "5В!" at 116.4,102.9 h1.5
  text "100nF" at 80,102 h1
  text "100nF" at 94.622,102.016 h1
  text "100nF" at 124.5,101.6 h1
  text "30В!" at 37.9,101.5 h1.5
  text "5В!" at 84.2,99.7 h1.5 r270
  text "100K" at 107.7,99.5 h1
  text "18В!" at 27.5,99.4 h1.5
  text "100nF" at 111.8,98.4 h1
  text "100K" at 107.7,93 h1
  text "100nF" at 140.1,89.4 h1 r270
  text "12В!" at 27.5,88.983 h1.5
  text "0.1K" at 127.55,83.8 h1 r270
  text "10K" at 127.55,81.5 h1 r270
  text "100nF" at 139.15,80.2 h1 r270
  text "12В!" at 27.5,78.283 h1.5
  text "0.1K" at 131.5,77.2 h1
  text "10K" at 133.5,77.2 h1
  text "4.7uF" at 39.622,72.514 h1
  text "4.7uF" at 47.122,72.514 h1
  text "30В!" at 27.5,68.484 h1.5
  text "4.7uF" at 135.75,68 h1
  text "100nF" at 116.7,58.8 h1
  text "18В!" at 27.5,58.05 h1.5
  text "4.7uF" at 136.05,54.4 h1
  text "100nF" at 120.9,52.1 h1
  text "10K" at 57.7,50.3 h1 r270
  text "5K" at 57.7,48.3 h1 r270
  text "5В!" at 27.8,40.9 h1.5
  text "0.1K" at 84.1,40.5 h1
  text "10K" at 86.7,40.5 h1
  text "100nF" at 38.5,37.5 h1
  text "100nF" at 108.7,36.1 h1 r270
  text "5В!" at 133.1,34.2 h1.5
  text "MI/O6" at 56.25,33.75 h2
  text "4.7uF" at 40.9,33.3 h1
  text "MI/O3" at 77.5,33.25 h2
  text "100nF" at 102.3,31.5 h1
  text "4.7uF" at 33.4,29.493 h1
  text "0.2K" at 60.5,29.1 h1 r270
  text "5В!" at 116.1,28.9 h1.5 r270
  text "100nF" at 133.6,28.8 h1
  text "20K" at 95.3,28.4 h1
  text "0.2K" at 90.4,28.3 h1
  text "100nF" at 41,28.2 h1
  text "20K" at 60.5,26.7 h1 r270
  text "100nF" at 113.5,23.1 h1 r270
  text "100nF" at 131.6,22.9 h1 r270
  text "100nF" at 102.5,22 h1
  text "MSI/O3" at 89.25,21.5 h2
  text "MSI/O6" at 66.5,21.25 h2

## Text inside footprints (layer, text, board x,y; h text height)
W5500SPI: Top Overlay "GND" at 143.25,85.262 h1; Top Overlay "3.3V" at 141,85.262 h1; Top Overlay "3.3V" at 138.25,85.262 h1; Top Overlay "NC" at 136,85.261 h1; Top Overlay "RST" at 133.25,85.262 h1; Top Overlay "MISO" at 130.5,85.262 h1; Top Overlay "GND" at 143.25,109.762 h1; Top Overlay "SCLK" at 135.5,109.762 h1; Top Overlay "CS" at 133.5,109.762 h1; Top Overlay "INT" at 131,109.75 h1; Top Overlay "MOSI" at 138.25,109.762 h1; Top Overlay "GND" at 141,109.762 h1